# Altium PCB JTAG批量下载板-V1.6-ASCII.PcbDoc (part 13 of 14)
Units mil, origin at the board's own origin, x right, y up, seen from the top; angles counter-clockwise.
Board outline 7947.6 x 7007.76 mil, 2 copper layers (Top Layer, Bottom Layer); 207 components, 340 nets, 1329 pads, 792 vias.
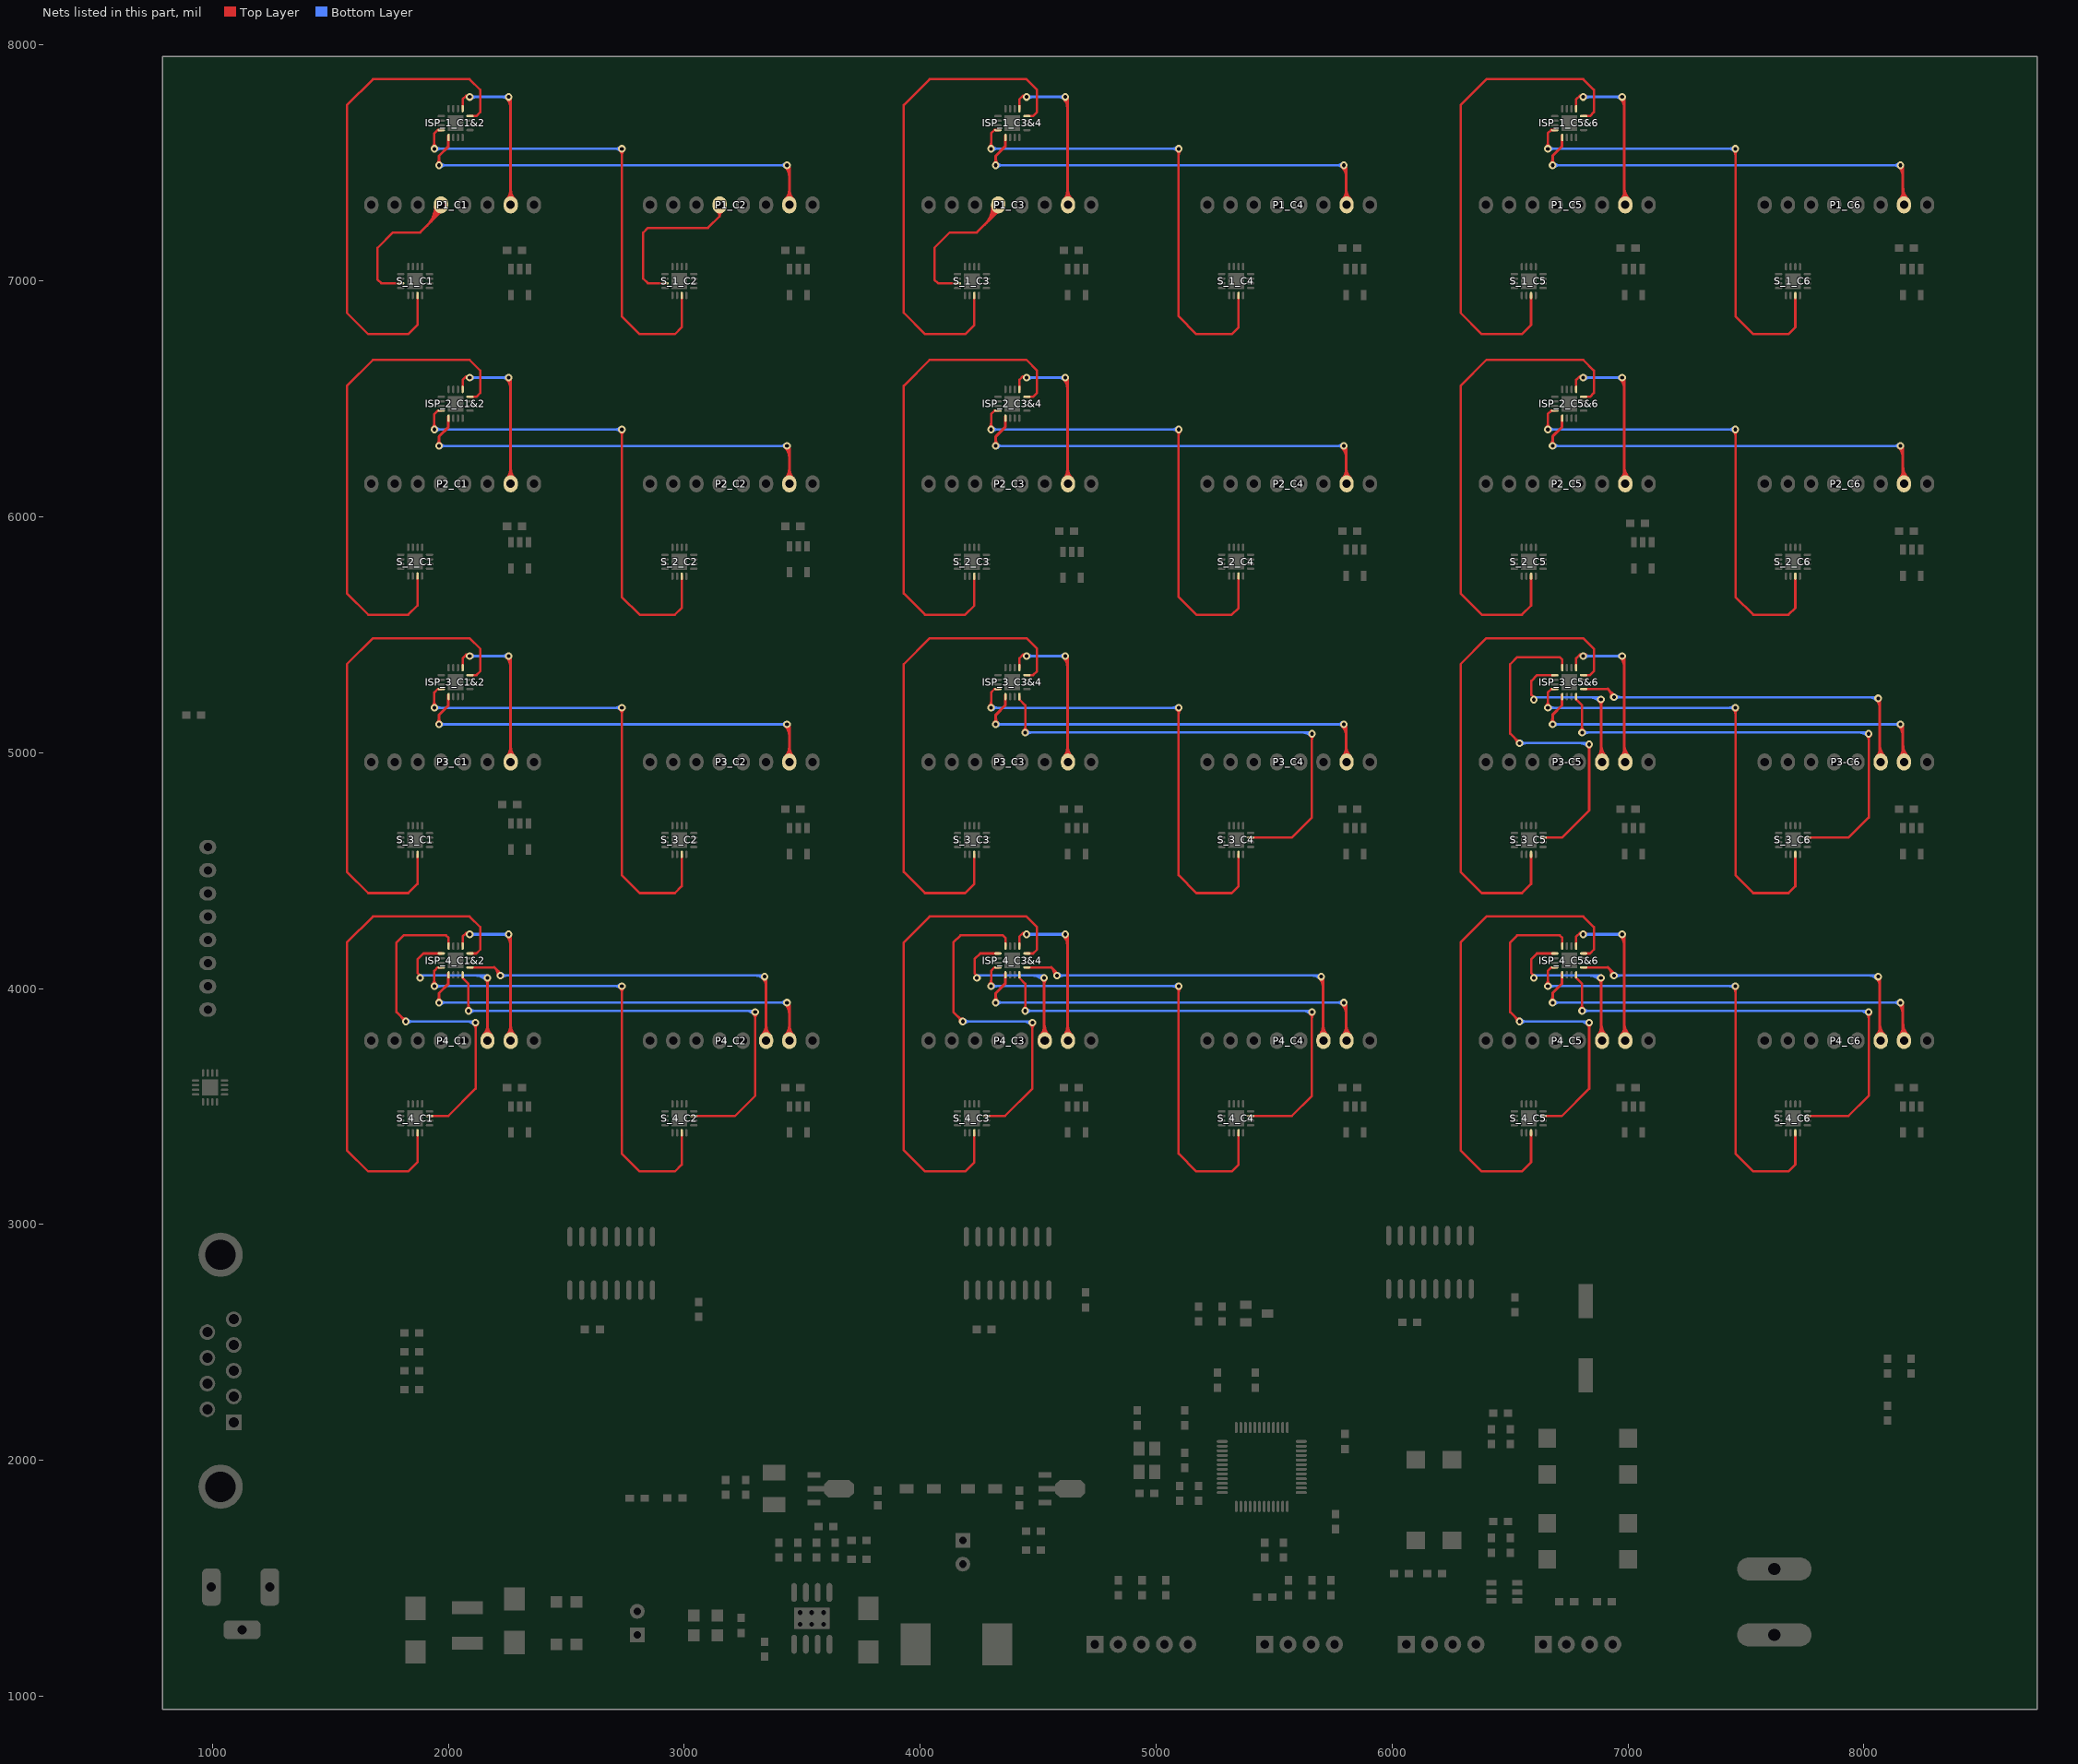
[diagram p13: the nets of this part, all layers, seen from the top]

## Via types
v1: diameter 32, hole 16, Top Layer to Bottom Layer, 721 vias
v2: diameter 50, hole 28, Top Layer to Bottom Layer, 45 vias
v3: diameter 40, hole 20, Top Layer to Bottom Layer, 26 vias

## Nets (pads, with @x,y where several pads share a name; then routed paths per layer and width w, separated by ;. In a path a pad name is that pad's centre, name@x,y a point inside that pad or via, vN(x,y) a via of type N, cw(c..) or ccw(c..) an arc to the next point about the centre after c; other vN are vias at no path point) (continued)
TDI_3_C4_1: ISP_3_C3&4.12 S_3_C4.3 | length 2224.9
  Top Layer w10: ISP_3_C3&4.12@4420,5238.45 4420,5225.55 4445,5200.55 v1(4445,5085.55) ; v1@4437.22,5093.33 ccw(c4418.44,5112.11) 4445,5112.11 ccw(c4471.56,5112.11) v1@4452.78,5093.33 ; S_3_C4.3@5400,4639.87 5574.37,4639.92 5660,4725.55 v1(5660,5080.55) ; v1@5652.22,5072.77 cw(c5633.44,5053.99) 5660,5053.99 cw(c5686.56,5053.99) v1@5667.78,5072.77
  Bottom Layer w10: v1(4445,5085.55) v1@5655,5085.55 ; 5621.37,5085.55 cw(c5621.37,5041.92) v1@5652.22,5072.77 ; 4471.56,5085.55 cw(c4471.56,5112.11) 4452.78,5093.33 ccw(c4471.56,5112.11) 4471.56,5085.55 ; 4471.56,5085.55 ccw(c4471.56,5058.99) 4452.78,5077.77 cw(c4471.56,5058.99) 4471.56,5085.55
TDI_3_C5: ISP_3_C5&6.5 P3-C5.3 | length 1095.1
  Top Layer w10: v1@6600,5235.55 6590,5245.55 6590,5305 6614.06,5329.06 ISP_3_C5&6.5@6689.45,5329.06
  Top Layer w12: P3-C5.3@6872.79,4983.6 ccw(c6842.47,5013.93) 6885.35,5013.93 ; v1(6885,5225.55) 6885.35,5225.2 P3-C5.3@6885.35,4952.83 ; 6885.35,5006.25 ccw(c6929.38,5006.25) P3-C5.3@6898.25,4975.12 ; 6885.35,5035.22 ccw(c6958.35,5035.22) P3-C5.3@6906.73,4983.6 ; v1@6877.93,5218.48 cw(c6860,5200.55) 6885.35,5200.55 ccw(c6860,5200.55) v1@6877.93,5218.48 ; 6885.35,5202.27 cw(c6908.29,5202.27) 6892.07,5218.48 ccw(c6908.29,5202.27) 6885.35,5202.27
  Bottom Layer w10: v1@6600,5235.55 v1@6885,5235.55 ; 6834.3,5235.55 cw(c6834.3,5174.85) 6877.22,5217.77 ccw(c6834.3,5174.85) 6834.3,5235.55 ; 6858.44,5235.55 cw(c6858.44,5198.99) 6884.29,5224.84 ccw(c6858.44,5198.99) 6858.44,5235.55
  other v1: 6600,5225
TDI_3_C5_1: ISP_3_C5&6.4 S_3_C5.3 | length 1642.5
  Top Layer w10: v1@6529,5040.55 ccw(c6502.44,5040.55) 6521.22,5059.33 ccw(c6540,5078.11) v1@6540,5051.55 ; v1(6540,5040.55) 6500,5080.55 6500,5375.55 6530,5405.55 6710,5405.55 6720.94,5394.61 ISP_3_C5&6.4@6720.94,5360.55 ; S_3_C5.3@6640,4639.87 6719.37,4639.92 6835,4755.55 v1(6835,5035.55) ; 6835,5008.99 cw(c6861.56,5008.99) 6842.78,5027.77 ccw(c6861.56,5008.99) 6835,5008.99 ; 6835,5008.99 ccw(c6808.44,5008.99) 6827.22,5027.77 cw(c6808.44,5008.99) 6835,5008.99
  Bottom Layer w10: v1(6540,5040.55) v1@6835,5040.55 ; v1@6547.78,5032.77 cw(c6566.56,5013.99) 6566.56,5040.55 cw(c6566.56,5067.11) v1@6547.78,5048.33 ; 6796.37,5040.55 cw(c6796.37,4996.92) v1@6827.22,5027.77
TDI_3_C6: ISP_3_C5&6.13 P3-C6.3 | length 1949.1
  Top Layer w10: ISP_3_C5&6.13@6811.5,5270 6915.55,5270 v1@6950,5235.55 ; 6914.15,5271.4 cw(c6878.3,5235.55) 6929,5235.55 ccw(c6878.3,5235.55) 6914.15,5271.4 ; 6931.22,5254.33 cw(c6912.44,5235.55) 6939,5235.55 ccw(c6912.44,5235.55) 6931.22,5254.33
  Top Layer w12: v1@8052.93,5223.48 cw(c8020.27,5190.82) 8066.46,5190.82 ; P3-C6.3@8053.9,4983.6 ccw(c8023.57,5013.93) 8066.46,5013.93 ; v1(8060,5230.55) 8066.46,5224.09 P3-C6.3@8066.46,4952.83 ; 8066.46,5006.25 ccw(c8110.48,5006.25) P3-C6.3@8079.35,4975.12 ; 8066.46,5035.22 ccw(c8139.45,5035.22) P3-C6.3@8087.84,4983.6
  Bottom Layer w10: v1(6940,5235.55) v1@8055,5235.55 ; 8021.37,5235.55 cw(c8021.37,5191.92) v1@8052.22,5222.77 ; 6966.56,5235.55 cw(c6966.56,5262.11) 6947.78,5243.33 ccw(c6966.56,5262.11) 6966.56,5235.55 ; 6966.56,5235.55 ccw(c6966.56,5208.99) 6947.78,5227.77 cw(c6966.56,5208.99) 6966.56,5235.55
TDI_3_C6_1: ISP_3_C5&6.12 S_3_C6.3 | length 2224.9
  Top Layer w10: ISP_3_C5&6.12@6780,5238.45 6780,5225.55 6805,5200.55 v1(6805,5085.55) ; v1@6797.22,5093.33 ccw(c6778.44,5112.11) 6805,5112.11 ccw(c6831.56,5112.11) v1@6812.78,5093.33 ; S_3_C6.3@7760,4639.87 7934.37,4639.92 8020,4725.55 v1(8020,5080.55) ; v1@8012.22,5072.77 cw(c7993.44,5053.99) 8020,5053.99 cw(c8046.56,5053.99) v1@8027.78,5072.77
  Bottom Layer w10: v1(6805,5085.55) v1@8015,5085.55 ; 7981.37,5085.55 cw(c7981.37,5041.92) v1@8012.22,5072.77 ; 6831.56,5085.55 cw(c6831.56,5112.11) 6812.78,5093.33 ccw(c6831.56,5112.11) 6831.56,5085.55 ; 6831.56,5085.55 ccw(c6831.56,5058.99) 6812.78,5077.77 cw(c6831.56,5058.99) 6831.56,5085.55
TDI_4_C1: ISP_4_C1&2.5 P4_C1.3 | length 1060.5
  Top Layer w10: v1@1880,4055.55 1870,4065.55 1870,4125 1894.06,4149.06 ISP_4_C1&2.5@1969.45,4149.06
  Top Layer w12: P4_C1.3@2148.38,3802.5 ccw(c2107.41,3843.47) 2165.35,3843.47 ccw(c2223.3,3843.47) P4_C1.3@2182.33,3802.5 ; v1(2165,4045.55) 2165.35,4045.2 P4_C1.3@2165.35,3772.83 ; v1@2157.93,4038.48 cw(c2140,4020.55) 2165.35,4020.55 ccw(c2140,4020.55) v1@2157.93,4038.48 ; 2165.35,4022.27 cw(c2188.29,4022.27) 2172.07,4038.48 ccw(c2188.29,4022.27) 2165.35,4022.27
  Bottom Layer w10: v1@1880,4055.55 v1@2165,4055.55 ; 2114.3,4055.55 cw(c2114.3,3994.85) 2157.22,4037.77 ccw(c2114.3,3994.85) 2114.3,4055.55 ; 2138.44,4055.55 cw(c2138.44,4018.99) 2164.29,4044.84 ccw(c2138.44,4018.99) 2138.44,4055.55
  other v1: 1880,4045
TDI_4_C1_1: ISP_4_C1&2.4 S_4_C1.3 | length 1600.8
  Top Layer w10: v1@1809,3860.55 ccw(c1782.44,3860.55) 1801.22,3879.33 ccw(c1820,3898.11) v1@1820,3871.55 ; v1(1820,3860.55) 1780,3900.55 1780,4195.55 1810,4225.55 1990,4225.55 2000.94,4214.61 ISP_4_C1&2.4@2000.94,4180.55 ; S_4_C1.3@1920,3459.87 1999.37,3459.92 2115,3575.55 v1(2115,3855.55) ; v1@2107.22,3847.77 cw(c2088.44,3828.99) 2115,3828.99 cw(c2141.56,3828.99) v1@2122.78,3847.77
  Bottom Layer w10: v1(1820,3860.55) v1@2115,3860.55 ; v1@1827.78,3852.77 cw(c1846.56,3833.99) 1846.56,3860.55 cw(c1846.56,3887.11) v1@1827.78,3868.33 ; 2076.37,3860.55 cw(c2076.37,3816.92) v1@2107.22,3847.77
TDI_4_C2: ISP_4_C1&2.13 P4_C2.3 | length 1914.5
  Top Layer w10: ISP_4_C1&2.13@2091.5,4090 2195.55,4090 v1@2230,4055.55 ; 2194.15,4091.4 cw(c2158.3,4055.55) 2209,4055.55 ccw(c2158.3,4055.55) 2194.15,4091.4 ; 2211.22,4074.33 cw(c2192.44,4055.55) 2219,4055.55 ccw(c2192.44,4055.55) 2211.22,4074.33
  Top Layer w12: P4_C2.3@3329.49,3802.5 ccw(c3288.52,3843.47) 3346.46,3843.47 ccw(c3404.4,3843.47) P4_C2.3@3363.43,3802.5 ; v1@3332.93,4043.48 cw(c3300.27,4010.82) 3346.46,4010.82 ; v1(3340,4050.55) 3346.46,4044.09 P4_C2.3@3346.46,3772.83
  Bottom Layer w10: v1(2220,4055.55) v1@3335,4055.55 ; 3301.37,4055.55 cw(c3301.37,4011.92) v1@3332.22,4042.77 ; 2246.56,4055.55 cw(c2246.56,4082.11) 2227.78,4063.33 ccw(c2246.56,4082.11) 2246.56,4055.55 ; 2246.56,4055.55 ccw(c2246.56,4028.99) 2227.78,4047.77 cw(c2246.56,4028.99) 2246.56,4055.55
TDI_4_C2_1: ISP_4_C1&2.12 S_4_C2.3 | length 2224.9
  Top Layer w10: ISP_4_C1&2.12@2060,4058.45 2060,4045.55 2085,4020.55 v1(2085,3905.55) ; v1@2077.22,3913.33 ccw(c2058.44,3932.11) 2085,3932.11 ccw(c2111.56,3932.11) v1@2092.78,3913.33 ; S_4_C2.3@3040,3459.87 3214.37,3459.92 3300,3545.55 v1(3300,3900.55) ; v1@3292.22,3892.77 cw(c3273.44,3873.99) 3300,3873.99 cw(c3326.56,3873.99) v1@3307.78,3892.77
  Bottom Layer w10: v1(2085,3905.55) v1@3295,3905.55 ; 3261.37,3905.55 cw(c3261.37,3861.92) v1@3292.22,3892.77 ; 2111.56,3905.55 cw(c2111.56,3932.11) 2092.78,3913.33 ccw(c2111.56,3932.11) 2111.56,3905.55 ; 2111.56,3905.55 ccw(c2111.56,3878.99) 2092.78,3897.77 cw(c2111.56,3878.99) 2111.56,3905.55
TDI_4_C3: ISP_4_C3&4.5 P4_C3.3 | length 1089.2
  Top Layer w10: v1@4240,4055.55 4230,4065.55 4230,4125 4254.06,4149.06 ISP_4_C3&4.5@4329.45,4149.06
  Top Layer w12: P4_C3.3@4510.59,3802.5 ccw(c4474.94,3838.15) 4525.35,3838.15 ; v1(4525,4045.55) 4525.35,4045.2 P4_C3.3@4525.35,3772.83 ; 4525.35,3819.82 ccw(c4561.85,3819.82) P4_C3.3@4536.04,3794.01 ; 4525.35,3848.79 ccw(c4590.82,3848.79) P4_C3.3@4544.53,3802.5 ; v1@4517.93,4038.48 cw(c4500,4020.55) 4525.35,4020.55 ccw(c4500,4020.55) v1@4517.93,4038.48 ; 4525.35,4022.27 cw(c4548.29,4022.27) 4532.07,4038.48 ccw(c4548.29,4022.27) 4525.35,4022.27
  Bottom Layer w10: v1@4240,4055.55 v1@4525,4055.55 ; 4474.3,4055.55 cw(c4474.3,3994.85) 4517.22,4037.77 ccw(c4474.3,3994.85) 4474.3,4055.55 ; 4498.44,4055.55 cw(c4498.44,4018.99) 4524.29,4044.84 ccw(c4498.44,4018.99) 4498.44,4055.55
  other v1: 4240,4045
TDI_4_C3_1: ISP_4_C3&4.4 S_4_C3.3 | length 1600.8
  Top Layer w10: v1@4169,3860.55 ccw(c4142.44,3860.55) 4161.22,3879.33 ccw(c4180,3898.11) v1@4180,3871.55 ; v1(4180,3860.55) 4140,3900.55 4140,4195.55 4170,4225.55 4350,4225.55 4360.94,4214.61 ISP_4_C3&4.4@4360.94,4180.55 ; S_4_C3.3@4280,3459.87 4359.37,3459.92 4475,3575.55 v1(4475,3855.55) ; v1@4467.22,3847.77 cw(c4448.44,3828.99) 4475,3828.99 cw(c4501.56,3828.99) v1@4482.78,3847.77
  Bottom Layer w10: v1(4180,3860.55) v1@4475,3860.55 ; v1@4187.78,3852.77 cw(c4206.56,3833.99) 4206.56,3860.55 cw(c4206.56,3887.11) v1@4187.78,3868.33 ; 4436.37,3860.55 cw(c4436.37,3816.92) v1@4467.22,3847.77
TDI_4_C4: ISP_4_C3&4.13 P4_C4.3 | length 1943.2
  Top Layer w10: ISP_4_C3&4.13@4451.5,4090 4555.55,4090 v1@4590,4055.55 ; 4554.15,4091.4 cw(c4518.3,4055.55) 4569,4055.55 ccw(c4518.3,4055.55) 4554.15,4091.4 ; 4571.22,4074.33 cw(c4552.44,4055.55) 4579,4055.55 ccw(c4552.44,4055.55) 4571.22,4074.33
  Top Layer w12: P4_C4.3@5691.69,3802.5 ccw(c5656.04,3838.15) 5706.46,3838.15 ; v1@5692.93,4043.48 cw(c5660.27,4010.82) 5706.46,4010.82 ; v1(5700,4050.55) 5706.46,4044.09 P4_C4.3@5706.46,3772.83 ; 5706.46,3819.82 ccw(c5742.95,3819.82) P4_C4.3@5717.15,3794.01 ; 5706.46,3848.79 ccw(c5771.93,3848.79) P4_C4.3@5725.63,3802.5
  Bottom Layer w10: v1(4580,4055.55) v1@5695,4055.55 ; 5661.37,4055.55 cw(c5661.37,4011.92) v1@5692.22,4042.77 ; 4606.56,4055.55 cw(c4606.56,4082.11) 4587.78,4063.33 ccw(c4606.56,4082.11) 4606.56,4055.55 ; 4606.56,4055.55 ccw(c4606.56,4028.99) 4587.78,4047.77 cw(c4606.56,4028.99) 4606.56,4055.55
TDI_4_C4_1: ISP_4_C3&4.12 S_4_C4.3 | length 2224.9
  Top Layer w10: ISP_4_C3&4.12@4420,4058.45 4420,4045.55 4445,4020.55 v1(4445,3905.55) ; v1@4437.22,3913.33 ccw(c4418.44,3932.11) 4445,3932.11 ccw(c4471.56,3932.11) v1@4452.78,3913.33 ; S_4_C4.3@5400,3459.87 5574.37,3459.92 5660,3545.55 v1(5660,3900.55) ; v1@5652.22,3892.77 cw(c5633.44,3873.99) 5660,3873.99 cw(c5686.56,3873.99) v1@5667.78,3892.77
  Bottom Layer w10: v1(4445,3905.55) v1@5655,3905.55 ; 5621.37,3905.55 cw(c5621.37,3861.92) v1@5652.22,3892.77 ; 4471.56,3905.55 cw(c4471.56,3932.11) 4452.78,3913.33 ccw(c4471.56,3932.11) 4471.56,3905.55 ; 4471.56,3905.55 ccw(c4471.56,3878.99) 4452.78,3897.77 cw(c4471.56,3878.99) 4471.56,3905.55
TDI_4_C5: ISP_4_C5&6.5 P4_C5.3 | length 1095.1
  Top Layer w10: v1@6600,4055.55 6590,4065.55 6590,4125 6614.06,4149.06 ISP_4_C5&6.5@6689.45,4149.06
  Top Layer w12: P4_C5.3@6872.79,3802.5 ccw(c6842.47,3832.82) 6885.35,3832.82 ; v1(6885,4045.55) 6885.35,4045.2 P4_C5.3@6885.35,3772.83 ; 6885.35,3825.14 ccw(c6929.38,3825.14) P4_C5.3@6898.25,3794.01 ; 6885.35,3854.11 ccw(c6958.35,3854.11) P4_C5.3@6906.73,3802.5 ; v1@6877.93,4038.48 cw(c6860,4020.55) 6885.35,4020.55 ccw(c6860,4020.55) v1@6877.93,4038.48 ; 6885.35,4022.27 cw(c6908.29,4022.27) 6892.07,4038.48 ccw(c6908.29,4022.27) 6885.35,4022.27
  Bottom Layer w10: v1@6600,4055.55 v1@6885,4055.55 ; 6834.3,4055.55 cw(c6834.3,3994.85) 6877.22,4037.77 ccw(c6834.3,3994.85) 6834.3,4055.55 ; 6858.44,4055.55 cw(c6858.44,4018.99) 6884.29,4044.84 ccw(c6858.44,4018.99) 6858.44,4055.55
  other v1: 6600,4045
TDI_4_C5_1: ISP_4_C5&6.4 S_4_C5.3 | length 1642.5
  Top Layer w10: v1@6529,3860.55 ccw(c6502.44,3860.55) 6521.22,3879.33 ccw(c6540,3898.11) v1@6540,3871.55 ; v1(6540,3860.55) 6500,3900.55 6500,4195.55 6530,4225.55 6710,4225.55 6720.94,4214.61 ISP_4_C5&6.4@6720.94,4180.55 ; S_4_C5.3@6640,3459.87 6719.37,3459.92 6835,3575.55 v1(6835,3855.55) ; 6835,3828.99 cw(c6861.56,3828.99) 6842.78,3847.77 ccw(c6861.56,3828.99) 6835,3828.99 ; 6835,3828.99 ccw(c6808.44,3828.99) 6827.22,3847.77 cw(c6808.44,3828.99) 6835,3828.99
  Bottom Layer w10: v1(6540,3860.55) v1@6835,3860.55 ; v1@6547.78,3852.77 cw(c6566.56,3833.99) 6566.56,3860.55 cw(c6566.56,3887.11) v1@6547.78,3868.33 ; 6796.37,3860.55 cw(c6796.37,3816.92) v1@6827.22,3847.77
TDI_4_C6: ISP_4_C5&6.13 P4_C6.3 | length 1949.1
  Top Layer w10: ISP_4_C5&6.13@6811.5,4090 6915.55,4090 v1@6950,4055.55 ; 6914.15,4091.4 cw(c6878.3,4055.55) 6929,4055.55 ccw(c6878.3,4055.55) 6914.15,4091.4 ; 6931.22,4074.33 cw(c6912.44,4055.55) 6939,4055.55 ccw(c6912.44,4055.55) 6931.22,4074.33
  Top Layer w12: v1@8052.93,4043.48 cw(c8020.27,4010.82) 8066.46,4010.82 ; P4_C6.3@8053.9,3802.5 ccw(c8023.57,3832.82) 8066.46,3832.82 ; v1(8060,4050.55) 8066.46,4044.09 P4_C6.3@8066.46,3772.83 ; 8066.46,3825.14 ccw(c8110.48,3825.14) P4_C6.3@8079.35,3794.01 ; 8066.46,3854.11 ccw(c8139.45,3854.11) P4_C6.3@8087.84,3802.5
  Bottom Layer w10: v1(6940,4055.55) v1@8055,4055.55 ; 8021.37,4055.55 cw(c8021.37,4011.92) v1@8052.22,4042.77 ; 6966.56,4055.55 cw(c6966.56,4082.11) 6947.78,4063.33 ccw(c6966.56,4082.11) 6966.56,4055.55 ; 6966.56,4055.55 ccw(c6966.56,4028.99) 6947.78,4047.77 cw(c6966.56,4028.99) 6966.56,4055.55
TDI_4_C6_1: ISP_4_C5&6.12 S_4_C6.3 | length 2224.9
  Top Layer w10: ISP_4_C5&6.12@6780,4058.45 6780,4045.55 6805,4020.55 v1(6805,3905.55) ; v1@6797.22,3913.33 ccw(c6778.44,3932.11) 6805,3932.11 ccw(c6831.56,3932.11) v1@6812.78,3913.33 ; S_4_C6.3@7760,3459.87 7934.37,3459.92 8020,3545.55 v1(8020,3900.55) ; v1@8012.22,3892.77 cw(c7993.44,3873.99) 8020,3873.99 cw(c8046.56,3873.99) v1@8027.78,3892.77
  Bottom Layer w10: v1(6805,3905.55) v1@8015,3905.55 ; 7981.37,3905.55 cw(c7981.37,3861.92) v1@8012.22,3892.77 ; 6831.56,3905.55 cw(c6831.56,3932.11) 6812.78,3913.33 ccw(c6831.56,3932.11) 6831.56,3905.55 ; 6831.56,3905.55 ccw(c6831.56,3878.99) 6812.78,3897.77 cw(c6831.56,3878.99) 6831.56,3905.55
TDO_1_C1: ISP_1_C1&2.1 P1_C1.2 | length 1079.4
  Top Layer w10: ISP_1_C1&2.1@2060,7730.55 2060,7770.55 2075,7785.55 v1@2100,7785.55
  Top Layer w12: P1_C1.2@2246.81,7345.81 ccw(c2205.84,7386.78) 2263.78,7386.78 ccw(c2321.72,7386.78) P1_C1.2@2280.75,7345.81 ; v1(2255,7780) 2263.78,7771.77 P1_C1.2@2263.78,7322.83 ; v1@2247.93,7772.93 cw(c2209.66,7734.66) 2263.78,7734.66 ccw(c2209.66,7734.66) v1@2247.93,7772.93 ; v1@2256.41,7781.41 cw(c2238.63,7763.63) 2263.78,7763.63 ccw(c2238.63,7763.63) v1@2256.41,7781.41
  Bottom Layer w12: v1(2090,7780) v1(2255,7780) ; 2114.14,7780 cw(c2114.14,7804.14) 2097.07,7787.07 ccw(c2114.14,7804.14) 2114.14,7780 ; 2114.14,7780 ccw(c2114.14,7755.86) 2097.07,7772.93 cw(c2114.14,7755.86) 2114.14,7780 ; 2230.86,7780 cw(c2230.86,7755.86) 2247.93,7772.93 ccw(c2230.86,7755.86) 2230.86,7780 ; 2230.86,7780 ccw(c2230.86,7804.14) 2247.93,7787.07 cw(c2230.86,7804.14) 2230.86,7780
TDO_1_C1_1: ISP_1_C1&2.16 S_1_C1.15 | length 2132.5
  Top Layer w10: S_1_C1.15@1868.82,6939.06 1868.82,6813.82 1830,6775 1660,6775 1570,6865 1570,7745.55 1680,7855.55 2090,7855.55 2135,7810.55 2135,7715.55 2118.5,7699.06 ISP_1_C1&2.16@2091.5,7699.06
TDO_1_C2: ISP_1_C1&2.9 P1_C2.2 | length 2106.8
  Top Layer w12: v1(1960,7490.55) 1960,7530.55 2000,7570.55 ISP_1_C1&2.9@2000,7615.55 ; P1_C2.2@3427.91,7345.81 ccw(c3386.94,7386.78) 3444.88,7386.78 ccw(c3502.82,7386.78) P1_C2.2@3461.85,7345.81 ; v1@3427.93,7483.48 cw(c3387,7442.55) 3444.88,7442.55 ; v1(3435,7490.55) 3444.88,7480.67 P1_C2.2@3444.88,7322.83 ; v1@3436.41,7491.97 cw(c3415.97,7471.52) 3444.88,7471.52 ; 1960,7514.69 cw(c1935.86,7514.69) 1952.93,7497.62 ccw(c1935.86,7514.69) 1960,7514.69 ; 1960,7514.69 ccw(c1984.14,7514.69) 1967.07,7497.62 cw(c1984.14,7514.69) 1960,7514.69
  Bottom Layer w10: v1(1960,7490.55) v1(3435,7490.55) ; v1@1967.78,7482.77 cw(c1986.56,7463.99) 1986.56,7490.55 cw(c1986.56,7517.11) v1@1967.78,7498.33 ; v1@3427.22,7482.77 ccw(c3408.44,7463.99) 3408.44,7490.55 ccw(c3408.44,7517.11) v1@3427.22,7498.33
TDO_1_C2_1: ISP_1_C1&2.8 S_1_C2.15 | length 2246.3
  Top Layer w10: v1@1932.22,7568.33 ccw(c1913.44,7587.11) 1940,7587.11 ccw(c1966.56,7587.11) v1@1947.78,7568.33 ; v1(1940,7560.55) 1940,7625.55 1954.45,7640 ISP_1_C1&2.8@1969.45,7640 ; v1@2727.22,7552.77 cw(c2708.44,7533.99) 2735,7533.99 cw(c2761.56,7533.99) v1@2742.78,7552.77 ; v1(2735,7560.55) 2735,6850.55 2810.55,6775 2960,6775 2988.82,6803.82 S_1_C2.15@2988.82,6939.06
  Bottom Layer w10: v1(1940,7560.55) v1(2735,7560.55) ; v1@1947.78,7552.77 cw(c1966.56,7533.99) 1966.56,7560.55 cw(c1966.56,7587.11) v1@1947.78,7568.33 ; 2708.44,7560.55 cw(c2708.44,7533.99) 2727.22,7552.77 ccw(c2708.44,7533.99) 2708.44,7560.55 ; 2708.44,7560.55 ccw(c2708.44,7587.11) 2727.22,7568.33 cw(c2708.44,7587.11) 2708.44,7560.55
TDO_1_C3: ISP_1_C3&4.1 P1_C3.2 | length 1108
  Top Layer w10: ISP_1_C3&4.1@4420,7730.55 4420,7770.55 4435,7785.55 v1@4460,7785.55
  Top Layer w12: P1_C3.2@4609.01,7345.81 ccw(c4573.36,7381.45) 4623.78,7381.45 ; v1(4615,7780) 4623.78,7771.77 P1_C3.2@4623.78,7322.83 ; 4623.78,7363.13 ccw(c4660.28,7363.13) P1_C3.2@4634.47,7337.32 ; 4623.78,7392.1 ccw(c4689.25,7392.1) P1_C3.2@4642.95,7345.81 ; v1@4607.93,7772.93 cw(c4569.66,7734.66) 4623.78,7734.66 ccw(c4569.66,7734.66) v1@4607.93,7772.93 ; v1@4616.41,7781.41 cw(c4598.63,7763.63) 4623.78,7763.63 ccw(c4598.63,7763.63) v1@4616.41,7781.41
  Bottom Layer w12: v1(4450,7780) v1(4615,7780) ; 4474.14,7780 cw(c4474.14,7804.14) 4457.07,7787.07 ccw(c4474.14,7804.14) 4474.14,7780 ; 4474.14,7780 ccw(c4474.14,7755.86) 4457.07,7772.93 cw(c4474.14,7755.86) 4474.14,7780 ; 4590.86,7780 cw(c4590.86,7755.86) 4607.93,7772.93 ccw(c4590.86,7755.86) 4590.86,7780 ; 4590.86,7780 ccw(c4590.86,7804.14) 4607.93,7787.07 cw(c4590.86,7804.14) 4590.86,7780
TDO_1_C3_1: ISP_1_C3&4.16 S_1_C3.15 | length 2132.5
  Top Layer w10: S_1_C3.15@4228.82,6939.06 4228.82,6813.82 4190,6775 4020,6775 3930,6865 3930,7745.55 4040,7855.55 4450,7855.55 4495,7810.55 4495,7715.55 4478.5,7699.06 ISP_1_C3&4.16@4451.5,7699.06
TDO_1_C4: ISP_1_C3&4.9 P1_C4.2 | length 2135.5
  Top Layer w12: v1(4320,7490.55) 4320,7530.55 4360,7570.55 ISP_1_C3&4.9@4360,7615.55 ; v1@5787.93,7483.48 cw(c5747,7442.55) 5804.88,7442.55 ; P1_C4.2@5790.12,7345.81 ccw(c5754.47,7381.45) 5804.88,7381.45 ; v1(5795,7490.55) 5804.88,7480.67 P1_C4.2@5804.88,7322.83 ; v1@5796.41,7491.97 cw(c5775.97,7471.52) 5804.88,7471.52 ; 5804.88,7363.13 ccw(c5841.38,7363.13) P1_C4.2@5815.57,7337.32 ; 5804.88,7392.1 ccw(c5870.35,7392.1) P1_C4.2@5824.06,7345.81 ; 4320,7514.69 cw(c4295.86,7514.69) 4312.93,7497.62 ccw(c4295.86,7514.69) 4320,7514.69 ; 4320,7514.69 ccw(c4344.14,7514.69) 4327.07,7497.62 cw(c4344.14,7514.69) 4320,7514.69
  Bottom Layer w10: v1(4320,7490.55) v1(5795,7490.55) ; v1@4327.78,7482.77 cw(c4346.56,7463.99) 4346.56,7490.55 cw(c4346.56,7517.11) v1@4327.78,7498.33 ; v1@5787.22,7482.77 ccw(c5768.44,7463.99) 5768.44,7490.55 ccw(c5768.44,7517.11) v1@5787.22,7498.33
TDO_1_C4_1: ISP_1_C3&4.8 S_1_C4.15 | length 2246.3
  Top Layer w10: v1@4292.22,7568.33 ccw(c4273.44,7587.11) 4300,7587.11 ccw(c4326.56,7587.11) v1@4307.78,7568.33 ; v1(4300,7560.55) 4300,7625.55 4314.45,7640 ISP_1_C3&4.8@4329.45,7640 ; v1@5087.22,7552.77 cw(c5068.44,7533.99) 5095,7533.99 cw(c5121.56,7533.99) v1@5102.78,7552.77 ; v1(5095,7560.55) 5095,6850.55 5170.55,6775 5320,6775 5348.82,6803.82 S_1_C4.15@5348.82,6939.06
  Bottom Layer w10: v1(4300,7560.55) v1(5095,7560.55) ; v1@4307.78,7552.77 cw(c4326.56,7533.99) 4326.56,7560.55 cw(c4326.56,7587.11) v1@4307.78,7568.33 ; 5068.44,7560.55 cw(c5068.44,7533.99) 5087.22,7552.77 ccw(c5068.44,7533.99) 5068.44,7560.55 ; 5068.44,7560.55 ccw(c5068.44,7587.11) 5087.22,7568.33 cw(c5068.44,7587.11) 5068.44,7560.55
TDO_1_C5: ISP_1_C5&6.1 P1_C5.2 | length 1114
  Top Layer w10: ISP_1_C5&6.1@6780,7730.55 6780,7770.55 6795,7785.55 v1@6820,7785.55
  Top Layer w12: P1_C5.2@6971.22,7345.81 ccw(c6940.89,7376.13) 6983.78,7376.13 ; v1(6975,7780) 6983.78,7771.77 P1_C5.2@6983.78,7322.83 ; 6983.78,7368.45 ccw(c7027.8,7368.45) P1_C5.2@6996.67,7337.32 ; 6983.78,7397.42 ccw(c7056.77,7397.42) P1_C5.2@7005.16,7345.81 ; v1@6967.93,7772.93 cw(c6929.66,7734.66) 6983.78,7734.66 ccw(c6929.66,7734.66) v1@6967.93,7772.93 ; v1@6976.41,7781.41 cw(c6958.63,7763.63) 6983.78,7763.63 ccw(c6958.63,7763.63) v1@6976.41,7781.41
  Bottom Layer w12: v1(6810,7780) v1(6975,7780) ; 6834.14,7780 cw(c6834.14,7804.14) 6817.07,7787.07 ccw(c6834.14,7804.14) 6834.14,7780 ; 6834.14,7780 ccw(c6834.14,7755.86) 6817.07,7772.93 cw(c6834.14,7755.86) 6834.14,7780 ; 6950.86,7780 cw(c6950.86,7755.86) 6967.93,7772.93 ccw(c6950.86,7755.86) 6950.86,7780 ; 6950.86,7780 ccw(c6950.86,7804.14) 6967.93,7787.07 cw(c6950.86,7804.14) 6950.86,7780
TDO_1_C5_1: ISP_1_C5&6.16 S_1_C5.15 | length 2132.5
  Top Layer w10: S_1_C5.15@6588.82,6939.06 6588.82,6813.82 6550,6775 6380,6775 6290,6865 6290,7745.55 6400,7855.55 6810,7855.55 6855,7810.55 6855,7715.55 6838.5,7699.06 ISP_1_C5&6.16@6811.5,7699.06
TDO_1_C6: ISP_1_C5&6.9 P1_C6.2 | length 2141.4
  Top Layer w12: v1(6680,7490.55) 6680,7530.55 6720,7570.55 ISP_1_C5&6.9@6720,7615.55 ; v1@8147.93,7483.48 cw(c8107,7442.55) 8164.88,7442.55 ; P1_C6.2@8152.32,7345.81 ccw(c8121.99,7376.13) 8164.88,7376.13 ; v1(8155,7490.55) 8164.88,7480.67 P1_C6.2@8164.88,7322.83 ; v1@8156.41,7491.97 cw(c8135.97,7471.52) 8164.88,7471.52 ; 8164.88,7368.45 ccw(c8208.91,7368.45) P1_C6.2@8177.78,7337.32 ; 8164.88,7397.42 ccw(c8237.88,7397.42) P1_C6.2@8186.26,7345.81 ; 6680,7514.69 cw(c6655.86,7514.69) 6672.93,7497.62 ccw(c6655.86,7514.69) 6680,7514.69 ; 6680,7514.69 ccw(c6704.14,7514.69) 6687.07,7497.62 cw(c6704.14,7514.69) 6680,7514.69